# KiCad board apple-color-monitor-iie-a2m2056.kicad_pcb (continued)
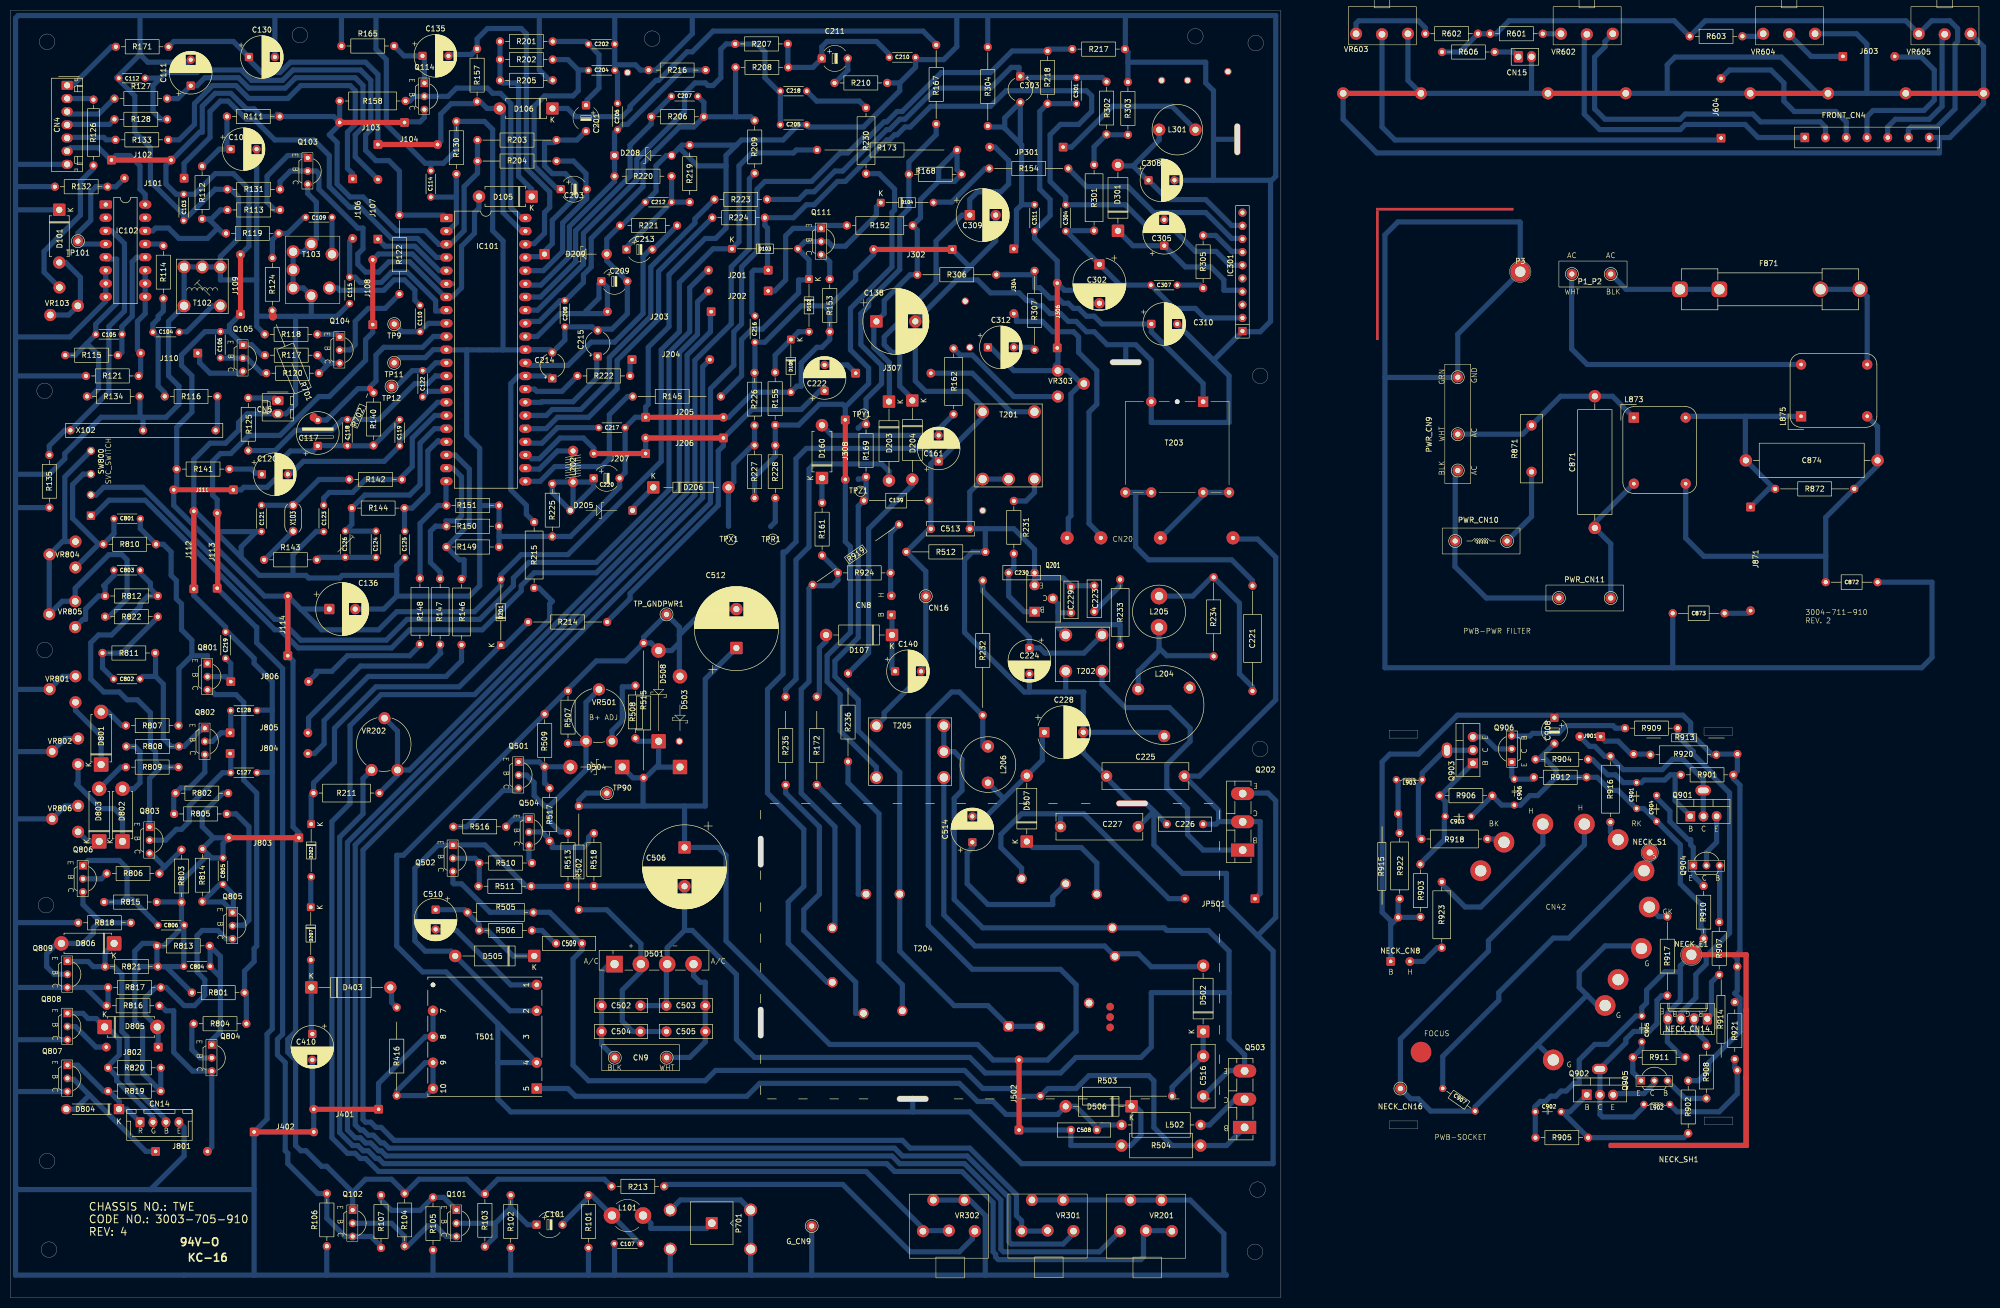
[diagram p0: board, top side]
## Routing (per net, layer and track width the routed paths; a pad name or vN(x,y) marks a point on that pad's centre or on a via; arc(x,y) is an arc through that point) (continued)
/ACC_FILTER: length 36.7
  Bottom w1: R702.1 70.03,174.68 R140.2 ; R702.1 69.34,175.69 70.5,176.84 70.5,181.84 72,183.34 79.5,183.34 81.58,185.43 IC101.10 ; R702.1 67.02,175.36 60.97,169.31 C117.2 59.03,169.31 R701.1
/AFC: length 95.2
  Bottom w1: IC101.35 101.67,190.51 110.5,199.34 110.5,205.34 120.8,215.64 120.8,219.64 130,228.84 130,232.34 132,234.34 134,234.34 134.5,233.84 135.5,233.84 137,235.34 137,240.84 138.02,241.87 R207.2 139.79,241.84 144,241.84 145.5,240.34 145.5,235.34 148.07,232.77 C218.1 C205.1
/AMP_VOLTAGE: length 30
  Bottom w1: IC301.4 237.33,194.34 234,194.34 234,196.34 231.5,198.84 226.6,198.84 C305.1 216.45,202.94 D301.1
/APC_FILTER: length 36.9
  Bottom w1: IC101.15 82.39,172.73 75.08,165.42 C119.1 72.1,161.34 56.5,161.34 54.22,159.07 53.47,159.07
/B_Y_OUT: length 30.6
  Bottom w1: 87.12,138.77 87.5,139.14 87.5,142.34 86.55,142.34 R149.1 88.5,149.24 88.5,159.84 85.78,162.57 IC101.19
/BK: length 3.5
  Bottom w1: CN42.11 287.39,88.48 R918.2
/BLOCK_PULSE_IN: length 8.9
  Bottom w1: IC301.7 237.45,201.84 235.5,201.84 232.42,204.92 R305.1
/BLOCK_PULSE_OUT: length 40.6
  Bottom w1: 222.5,209.34 220.5,209.34 215.5,214.34 207.5,214.34 R154.1 ; 222.5,209.34 C305.2 ; 222.5,209.34 230.5,209.34 235.5,204.34 237.5,204.34 237.58,204.26 IC301.8
/BRIGHT_CTRL: length 115.6
  Top w1: J104.2 J104.1
  Bottom w1: R171.1 31.52,242.34 43,242.34 C130.1 46,238.84 48.5,236.34 52,236.34 54,238.34 68.5,238.34 70.88,235.97 J104.1 ; IC101.41 98.59,205.75 95,209.34 95,228.78 D106.2 91.92,229.42 90.58,230.76 R157.1 89.58,230.34 85,230.34 83,228.34 83,223.09 J104.2
/CHROMA_IN: length 11.3
  Bottom w1: TP9.1 75.5,186.34 C110.1 80.62,187.97 IC101.9
/CHROMA_OUT: length 12.5
  Bottom w1: IC101.12 82,180.35 80.5,178.84 C122.1 77.5,178.84 74.42,175.77 TP12.1
/CLAMP_IN: length 64.2
  Bottom w1: IC101.40 99.36,203.21 99.5,203.34 101,203.34 103,205.34 103,209.34 104,210.34 104,213.34 99.5,217.84 99.5,243.84 98.5,244.84 92,244.84 90,242.84 R157.2 88.92,239.84 84.5,239.84 84.47,239.81 C135.2
/COLOR_CONTROL: length 96.9
  Bottom w1: R128.2 29.02,227.32 27.5,228.84 27.5,233.84 28.92,235.27 ; 28.92,235.27 30,236.34 36,236.34 36.5,236.84 44.5,236.84 46.5,234.84 52.5,234.84 54.5,236.84 67.5,236.84 69.5,234.84 69.5,225.34 68.5,224.34 68.5,221.34 70.5,219.34 73,219.34 75.03,217.32 R122.1 83.5,208.84 84.05,208.29 IC101.1 ; 28.92,235.27 C112.1
/CONTRAST_CONTROL: length 16
  Bottom w1: 84,198.34 84.08,198.27 IC101.5 82.72,198.13 78,202.84 72.25,202.84 J107.1
/CONTRAST_OUT_C: length 46.2
  Bottom w1: IC101.42 98.55,208.29 96.5,210.34 96.5,230.34 94.5,232.34 93,232.34 92,233.34 86,233.34 84.41,231.75 Q114.2 77.91,231.75 77.03,230.87 R158.1
/CONTRAST_OUT_E: length 16.9
  Bottom w1: IC101.2 84.41,205.75 86,207.34 86,212.34 ; C114.1 85.97,212.32 86,212.34 ; 86,212.34 R130.1
/CRT_10: length 30.7
  Bottom w1: CN42.10 295.52,87.36 283.52,75.36 280.52,75.36 276.02,79.86 R923.2
/DELAY_IN: length 77.4
  Bottom w1: J101.1 33.5,218.84 38.5,223.84 38.5,228.84 40.5,230.84 42,230.84 45.5,227.34 47,227.34 51,223.34 58.5,223.34 61.5,220.34 61.5,214.34 65.5,210.34 67.5,210.34 73.5,204.34 78.5,204.34 82.17,200.67 IC101.4
/DEMO_IN: length 5.2
  Bottom w1: C122.2 80.58,174.84 83.65,174.84 IC101.14
/FLY_7: length 81.3
  Bottom w1: T205.3 180,73.84 186,67.84 211,67.84 T204.7 213.5,66.34 217.5,66.34 220,63.84 230,63.84 D502.2
/G_Y_OUT: length 29
  Bottom w1: IC101.20 85.31,160.03 87,158.34 87,150.84 86,149.84 84,149.84 84.08,149.77 R150.1 82.03,148.82 82,148.84 81,147.84 81,141.84 82.88,139.97 R147.1
/GK: length 4.3
  Bottom w1: CN42.6 317.87,73.51 R917.1
/H_DRIVE_OUT: length 113
  Top w1: J206.2 J206.1 ; J207.2 J207.1
  Bottom w1: R214.1 115.08,130.42 119.5,134.84 119.5,135.84 136.5,152.84 136.5,163.34 137.5,164.34 J206.1 143,171.34 152.5,171.34 156.1,174.94 C222.1 ; IC101.24 99.78,162.57 100.5,161.84 102,161.84 106,165.84 110.5,165.84 112.5,163.84 J207.2 ; J206.2 J207.1
/H_OSC_DISCHARGE: length 52.1
  Bottom w1: C207.1 123.58,227.87 R206.1 123.58,226.42 119.5,222.34 119.5,216.34 109,205.84 109,199.84 102.2,193.05 IC101.36
/H_OSC_TIMING: length 81.9
  Bottom w1: R206.2 140,227.82 ; R206.2 131.76,225.84 129,225.84 122,218.84 122,214.34 112,204.34 112,198.84 110.5,197.34 110.5,195.84 107.03,192.37 C208.1 106.03,192.37 102,188.34 99.5,188.34 99.31,188.16 IC101.34 ; R206.2 133.74,230.59 C207.2 ; 140,227.82 142.79,227.82 R209.2 ; 140,227.82 139.84,227.98 R208.2
/H_VCC_8V: length 31.6
  Bottom w1: IC101.33 101.58,185.43 106,189.84 111,189.84 ; 111,189.84 111,190.34 113.5,192.84 113.5,195.6 C209.1 115.12,194.91 J203.2 114.75,189.84 111,189.84
/HEIGHT_CTRL: length 11.4
  Bottom w1: IC101.29 101.08,175.27 101.5,174.84 106.36,174.84 R222.2
/HUE_CONTROL: length 32
  Bottom w1: IC101.8 83.91,190.34 82,190.34 82,192.34 76.5,197.84 73.5,197.84 71.5,195.84 67.5,195.84 66.47,196.87 C115.1 65.42,203.77 J106.2
/KILLER_FILTER: length 44.2
  Bottom w1: IC101.13 82.03,177.81 82,177.84 80.5,176.34 78,176.34 71.08,169.42 C118.1 64.08,169.42 62,167.34 55,167.34 51.08,163.42 R125.1
/MIN_PI_4TH_IN: length 22.8
  Bottom w1: IC101.18 82.73,165.11 82.5,165.34 80.5,163.34 80.5,155.34 77.47,152.32 R144.1 76,147.84 C125.1
/NECK_B: length 196.6
  Bottom w1: 266.17,71.92 R915.2 ; 266.17,71.92 266.17,72.71 264.52,74.36 264.52,103.36 266.02,104.86 271.52,104.86 279.02,112.36 297.27,112.36 C908.1 298.21,112.36 322.52,112.36 324.02,110.86 324.02,108.86 328.14,104.73 R920.1 329.07,104.86 R913.1 333.02,101.62 R901.2 332.25,100.12 333.52,98.86 333.52,66.86 332.52,65.86 333,65.38 R914.1 333,59.19 332.52,58.71 333.52,57.71 333.52,51.36 327.52,45.36 327.52,43.86 325.52,41.86 R902.1 ; 266.17,71.92 NECK_CN8.1 ; R915.2 271.82,73.36 R903.1 ; R915.2 267.61,76.65 R922.1
/NFB_IN: length 62.4
  Bottom w1: IC101.27 103.34,170.19 104.5,171.34 110,171.34 115.5,176.84 115.5,181.34 123.5,189.34 123.5,198.84 132,207.34 132,208.1 R223.2
/PWR_BLK: length 20.7
  Bottom w1: D501.1 115.5,64.34 114,62.84 C502.1 C504.2 114,48.84 116.5,46.34
/PWR_WHT: length 25.3
  Bottom w1: 126.5,46.34 131,46.34 134,49.34 C505.2 C503.1 134,60.84 133,60.84 131.74,62.1 D501.4
/R_Y_OUT: length 21.9
  Bottom w1: IC101.21 84,157.41 84,152.84 84.03,152.82 R151.1 82.47,152.82 79,149.34 79,138.79 R148.1
/RK: length 4
  Bottom w1: CN42.8 308.54,89.83 R916.2
/SVC_SW_1: length 25.4
  Bottom w1: R152.2 156.89,206.84 Q111.1 150.95,206.29 149.5,204.84 149.5,196.34 147.38,194.22 J202.1
/SVC_SW_3: length 30.9
  Bottom w1: 17.03,145.34 VR804.3 ; 17.03,145.34 12,150.37 12,156.84 14.02,158.87 SW800.3 ; 17.03,145.34 R810.1 19.98,147.4 C801.1
/SVC_SW_4: length 72
  Bottom w1: 10.5,145.87 VR804.1 ; 10.5,145.87 10.05,145.87 VR804.2 7.5,143.31 VR805.2 10,134.34 VR805.1 12.5,136.84 19,143.34 21.5,143.34 22.5,142.34 22.5,134.84 19.02,131.37 R822.2 ; 10.5,145.87 10.5,158.34 SW800.4
/SYNC_OUT: length 61
  Bottom w1: R216.2 129.48,236.82 119,226.34 118.1,226.34 C206.1 116.5,224.74 D208.1 R220.1 116.5,215.34 107.8,206.64 107.8,200.84 102.3,195.34 99.5,195.34 99.31,195.53 IC101.37
/SYNC_SEP_H: length 41.2
  Bottom w1: IC101.39 99.33,200.67 99.5,200.84 102.53,200.84 D209.1 103,201.84 104.5,203.34 104.5,207.84 109,212.34 109,214.84 107,216.84 104.5,216.84 103,218.34 103,222.84 104.84,222.84 R203.2 109.24,223.32 111.23,225.3
/SYNC_SEP_V: length 32.1
  Bottom w1: R204.2 108.58,219.27 111,216.84 111,214.11 111.04,214.07 ; IC101.38 102.78,198.13 106.5,201.84 106.5,207.34 111.13,211.97 C203.2
/TIMING: length 37.5
  Bottom w1: 104.58,177.32 104.08,177.81 IC101.30 97.97,177.81 96.5,176.34 96.5,155.84 99.5,152.84 99.5,151.12 R215.2
/V_DRIVE_OUT: length 61.5
  Bottom w1: IC101.26 103.3,167.65 105.5,169.84 111.5,169.84 117,175.34 117,180.84 125,188.84 125,198 R224.2
/V_SAWTOOTH_IN: length 162.4
  Bottom w1: C216.2 143,189.97 143,197.84 143.38,198.22 J201.1 146,198.34 146,206.34 145.5,206.84 R224.1 151,208.34 153.5,210.84 155,210.84 159.5,215.34 161,215.34 169,223.34 169.5,223.34 170.5,224.34 171,224.34 172.5,225.84 173.5,225.84 177.5,229.84 189,229.84 192,232.84 207.5,232.84 208.5,231.84 208.5,228.84 206,226.34 202.5,226.34 200.5,224.34 200.5,215.34 203.5,212.34 C304.1 215,210.84 220,205.84 224.5,205.84 228.5,201.84 232.5,201.84 235.18,199.17 IC301.6
/VERTICAL_OUT: length 46.5
  Bottom w1: IC301.2 230.33,189.01 228.5,190.84 224.42,190.84 C307.2 214,195.34 C302.1 203.58,205.76 C304.2 203.58,205.84 R301.2
/VIDEO_INV_IN: length 246
  Top w1: Q102.3 66,11.84 ; J108.2 J108.1 ; J113.2 40,151.34 40,136.97 J113.1
  Bottom w1: J113.1 47.38,129.34 47.5,129.34 47.5,126.34 52.5,121.34 52.5,50.84 51.5,49.84 51.5,46.84 53,45.34 53,28.34 53.5,27.84 53.5,25.84 59.27,20.08 R106.2 61.03,15.32 64.54,11.8 Q102.3 69.54,11.8 71.5,9.84 71.47,9.82 R107.2 ; J108.1 69.88,186.22 68.5,184.84 68.5,180.84 61.5,173.84 59.5,173.84 52,166.34 46,166.34 42.5,162.84 40.5,162.84 39,161.34 39,154.84 39.88,153.97 J113.2 ; 85.25,195.59 IC101.6 83.25,195.59 77.5,201.34 71,201.34 J108.2
/VIDEO_INV_OUT: length 76.1
  Bottom w1: D105.2 90.36,210.21 89.5,209.34 89.5,205.34 87,202.84 87,194.84 85.2,193.05 IC101.7 83.8,193.05 77,199.84 73,199.84 71,197.84 68.5,197.84 67,199.34 67,201.34 68,202.34 68,206.34 67,206.34 59.5,213.84 59.5,216.84 59,217.34 Q103.2 54,217.34 52,215.34 R131.1
/VSYNC_IN: length 47.1
  Bottom w1: R221.2 123.98,202.22 C213.2 123.37,202.22 122,200.84 122,189.84 116.5,184.34 112,184.34 107.5,179.84 99.82,179.84 IC101.31
/XRAY_PROTECTOR: length 10.7
  Bottom w1: L202.2 105.5,163.34 102,159.84 99.5,159.84 IC101.23
/XTAL_DRIVE: length 35.2
  Bottom w1: IC101.16 81.84,170.19 77.5,165.84 77.5,160.34 75.5,158.34 R142.1 68.5,157.84 66,155.34 61.5,155.34 60.42,154.27 C123.1
/XTAL_IN: length 40.1
  Bottom w1: IC101.17 81.8,167.65 79,164.84 79,156.84 77,154.84 68.36,154.84 R144.2 65.84,149.16 C126.2 64.59,147.88 C124.2
/Y_OUT: length 32.4
  Bottom w1: R145.1 119,173.84 115.5,170.34 115.5,161.84 114,160.34 105,160.34 102.14,157.49 IC101.22
CTRL: length 357
  Top w1: VR604.4 VR604.4 ; VR602.4 VR602.4 ; VR603.4 VR603.4 ; VR605.4 VR605.4
  Bottom w1: 371.99,223.81 373.97,223.81 380.49,230.33 VR605.4 380.49,241.33 VR605.3 ; 371.99,223.81 371.99,220.83 263.49,220.83 256.99,227.33 VR603.4 ; 371.99,223.81 FRONT_CN4.7 ; 357.99,232.33 357.99,241.83 355.99,243.83 VR604.3 ; 357.99,232.33 VR605.4 ; 357.99,232.33 VR604.4 348.49,232.33 341.49,239.33 320.99,239.33 319.49,237.83 319.49,232.33 ; 292.99,232.33 VR603.4 269.49,234.83 VR603.3 ; 292.99,232.33 293.33,232.67 CN15.2 ; 292.99,232.33 VR602.4 ; 319.49,232.33 VR602.4 ; 319.49,232.33 VR604.4
CTRL +12V: length 135
  Bottom w1: R606.1 279.47,240.31 R602.1 R601.2 286.49,243.83 288.99,246.33 320.83,246.33 R603.2 326.83,246.33 365.49,246.33 VR605.1 370.49,246.33 373.99,246.33 375.49,244.83 375.49,242.33 374.99,241.83 374.99,229.33 371.49,225.83 366.49,225.83 365.99,225.33 365.99,223.83 FRONT_CN4.6
GCOM: length 394.6
  Bottom w1: 235,58.84 235,49.84 238,46.84 238,43.82 234.98,43.82 C516.1 ; 235,58.84 235,66.84 231,70.84 223,70.84 222.5,71.34 T204.7.5 187.5,71.34 182,76.84 182,96.34 183.5,97.84 183.5,103.84 182,105.34 T205.4 T205.5 ; 235,58.84 220,58.84 220,48.34 218,46.34 205.5,46.34 202.5,43.34 188,43.34 185,46.34 143.5,46.34 140,49.84 140,62.34 131.5,70.84 130,70.84 ; 130,70.84 126.66,67.5 D501.3 126.5,64.18 C503.2 ; 130,70.84 C506.2 129.94,79.42 R518.1 R513.1 107.53,79.37 107.5,79.34 100.45,79.34 R511.1 99.47,79.37 91.5,87.34 85.39,87.34 Q502.1 82.45,87.29 78,82.84 78,68.84 80,66.84 85,66.84 85.78,66.06 D505.2 96.36,55.34 T501.2 ; 126.66,56.5 C503.2 ; C503.2 C502.2
GHORZ: length 618.9
  Top w1: SH1.1 173.91,38.43 173.91,38.44
  Bottom w1: 129,126.34 127.5,124.84 D508.2 123.55,126.29 R515.1 ; 129,126.34 129,119.84 129.02,119.87 D503.2 ; 129,126.34 129,127.84 ; R515.1 122.05,126.29 122,126.34 ; R515.1 122.11,127.4 TP_GNDPWR1.TP 129,129.34 129,127.84 ; R515.1 118.66,122.84 113,122.84 107.53,117.37 R507.2 107.23,117.08 103,112.84 103.03,112.82 R509.2 75.79,85.34 74.5,85.34 74.5,67.84 79.5,62.84 84,62.84 94,52.84 ; C224.2 196.5,116.84 ; 196.5,116.84 195.5,116.84 184,128.34 184,142.34 185.5,143.84 187.98,143.84 R512.1 188,148.34 ; 196.5,116.84 203.5,116.84 ; C226.1 220.5,93.84 ; 220.5,93.84 220.5,87.34 226,81.84 234.5,81.84 234.5,75.84 240.5,69.84 ; 220.5,93.84 219,95.34 SH1.1 211.38,100.27 C225.1 206.88,105.11 C228.2 ; 220.5,93.84 217.52,90.87 C227.1 ; 188,148.34 185.02,148.34 C513.2 185,155.43 T201.3 T201.4 ; 188,148.34 193.5,148.34 197.5,144.34 C230.2 197.5,138.84 ; 197.5,138.84 Q201.3 ; 197.5,138.84 203,138.84 204.52,137.32 C229.2 204.75,137.34 C223.2 ; 174,35.84 96.5,35.84 94,38.34 94,45.34 ; 174,35.84 185,35.84 195,25.84 243.5,25.84 243.5,66.84 240.5,69.84 ; 174,35.84 SH1.1 173.91,38.43 173.91,38.44 ; L204.2 221.77,109.07 C228.2 ; 240.5,69.84 244,73.34 244,95.84 242.5,97.34 237.73,97.34 Q202.3 ; 94,45.34 94,52.84 ; 94,45.34 T501.4 94,52.84 ; 203.5,116.84 207,116.84 206.88,116.72 C228.2 ; 203.5,116.84 T202.3 ; 129,127.84 134,132.84 140,132.84 C512.2 ; 237.27,97.32 237.48,97.32 ; 237.48,97.32 237.5,97.34 ; 237.48,97.32 237.5,97.29 237.62,97.29 237.68,97.34
VCOM: length 355.5
  Top w1: R515.2 122,100.18 ; J502.2 J502.1
  Bottom w1: R515.2 120.05,100.29 D504.1 ; D506.1 216.93,36.92 218,35.84 218,31.34 216,29.34 R504.2 204.5,29.34 C508.2 J502.1 ; 122.5,100.34 125,102.84 ; TP90.1 115,97.34 111,97.34 109.61,95.95 R502.1 ; R508.1 120.52,107.87 120.5,107.84 121,107.34 D508.1 125,102.34 129.1,102.34 D503.1 ; 130,94.84 109.78,94.84 109.58,94.64 ; 130,94.84 C506.1 136.49,86.85 138,85.34 138,68.84 158,48.84 186.5,48.84 189.5,45.84 J502.2 200,45.84 205.5,51.34 205.5,60.34 202.5,63.34 185.5,63.34 177,71.84 177,112.34 181.5,116.84 182.98,116.84 187.5,112.32 187.5,106.34 ; 130,94.84 134,94.84 134,119.34 139.99,125.33 C512.1 ; 122,100.18 122,94.84
Net-(C101-Pad2): length 21.7
  Bottom w1: C107.1 121.42,10.42 L101.2 112.08,19.77 R101.1 111.48,19.32 106.47,14.31 C101.2
Net-(C102-Pad1): length 13.5
  Bottom w1: R111.2 41.77,222.27 C102.1 40.27,221.57 R112.1
Net-(C104-Pad1): length 20.7
  Bottom w1: R114.1 29.5,190.34 28.5,189.34 28.5,188.84 27.48,187.82 C104.1 28.5,185.24 28.5,175.84 29.77,174.58 R116.2
Net-(C109-Pad2): length 11.7
  Bottom w1: C109.2 56.58,208.42 53.47,205.32 R119.2 50.53,204.11 R124.2
Net-(C120-Pad1): length 6.6
  Bottom w1: R141.2 46.5,159.84 47.28,159.07 48.47,159.07
Net-(C121-Pad1): length 19
  Bottom w1: C121.1 X103.2 59.5,157.84 R142.2
Net-(C124-Pad1): length 11.7
  Bottom w1: 59,142.34 R143.2 59.55,142.82 C126.1 70.48,142.82 C124.1
Net-(C201-Pad1): length 20.4
  Bottom w1: R201.1 110.96,242.34 C202.1 113.5,239.8 113.5,233.34 111.23,231.07 111.23,230.3
Net-(C203-Pad1): length 39.9
  Bottom w1: C204.1 111.48,236.82 111.5,236.84 109.5,236.84 ; R202.1 107.5,238.84 109.5,236.84 ; 106.04,214.07 105.28,214.07 101,218.34 101,229.84 103,231.84 108.5,231.84 109.5,232.84 109.5,236.84
Net-(C210-Pad1): length 29
  Bottom w1: R207.1 149.93,237.42 R208.1 154.74,237.34 C211.1 156.47,241.31 157.5,242.34 167,242.34 169.48,239.87 C210.1
Net-(C211-Pad2): length 5.9
  Bottom w1: R210.1 159,234.34 161.5,236.84 161.47,236.87 C211.2
Net-(C212-Pad1): length 21.2
  Bottom w1: R220.2 C212.1 ; C212.1 118.8,202.64 C213.1 ; C212.1 R219.2
Net-(C218-Pad2): length 12.8
  Bottom w1: C218.2 155.48,230.84 163.7,230.84 R230.1
Net-(C221-Pad2): length 37.1
  Bottom w1: C221.2 239.53,117.82 237,120.34 237,133.99 R234.2 232.02,138.87 232,138.84 231.5,138.84 228,135.34 L205.1
Net-(C223-Pad1): length 8.3
  Bottom w1: R233.2 214,137.34 C223.1
Net-(C301-Pad2): length 78
  Bottom w1: R223.1 152.02,211.87 153.5,213.34 155,213.34 159,217.34 160.5,217.34 165.5,222.34 166,222.34 169,225.34 169.5,225.34 171.5,227.34 172.5,227.34 178.5,233.34 189,233.34 193,237.34 194.5,237.34 194.5,235.85 C303.1 194.95,235.4 C301.2 210.56,235.4 R302.2
Net-(C307-Pad1): length 5.2
  Bottom w1: C307.1 229.42,195.34 R305.2
Net-(C312-Pad2): length 4.2
  Bottom w1: R307.1 197,183.34 C312.2
Net-(C509-Pad2): length 5.7
  Bottom w1: R506.1 102.5,70.84 105,68.34 105.03,68.37 105.22,68.37
Net-(C514-Pad1): length 31.6
  Bottom w1: C514.1 185.5,86.84 184.5,85.84 184.5,79.84 188.5,75.84 201,75.84 201,77.34 T204.9
Net-(C802-Pad2): length 19.6
  Bottom w1: C802.2 17.77,121.5 R811.2 17.79,124.34 21.5,124.34 28.42,131.27 R822.1
Net-(C803-Pad2): length 15.3
  Bottom w1: VR805.3 14,130.84 14.5,130.84 14.5,132.84 17.02,135.37 R812.2 18.27,137.08 18,137.34 19.96,139.3 C803.2
Net-(C872-Pad2): length 75.9
  Bottom w1: 350.06,143.02 350.06,150.52 R872.1 360.06,160.52 C874.1 360.06,168.02 L875.3 ; 350.06,143.02 C872.2 ; 350.06,143.02 326.56,143.02 323.06,146.52 L873.4
Net-(CN4-BLU): length 9.6
  Bottom w1: CN4.5 11.07,223.84 18,223.84 18.48,223.37 R133.2
Net-(CN4-BRN): length 12.5
  Bottom w1: R171.2 19.48,241.32 12.04,233.88 CN4.1
Net-(CN4-GRN): length 9.6
  Bottom w1: R128.1 19.1,226.34 11,226.34 10.95,226.29 CN4.4
Net-(CN4-PNK): length 5.2
  Bottom w1: R126.2 15.8,231.34 CN4.2
Net-(CN4-YLW): length 10.6
  Bottom w1: R127.1 20.02,231.32 20,231.34 17,228.34 11.4,228.34 CN4.3
Net-(CN5-RED): length 6.2
  Bottom w1: 51.5,173.34 51.55,173.29 CN5.1 51.03,173.58 R125.2
Net-(CN8-B): length 11.2
  Bottom w1: C140.1 170,121.44 D107.1 170,131.59 CN8.1
Net-(CN8-H): length 14.7
  Bottom w1: 169.5,139.84 169.52,139.82 R924.2 ; R924.2 169.74,147.54 R919.2 ; R924.2 169.74,135.56 CN8.2
Net-(CN14-B): length 48.7
  Bottom w1: R821.2 18.27,66.61 D806.1 ; R821.2 15.98,63.87 15,64.84 11.08,64.84 Q809.1 11,65.34 ; R821.2 19.98,63.87 21.5,62.34 21.5,51.34 22.5,50.34 22.5,41.84 30,34.34
Net-(CN14-G): length 32.7
  Bottom w1: Q808.1 14,54.84 15,53.84 16.55,53.84 D805.1 18.38,52.22 18.5,52.34 21,49.84 21,46.84 18.84,44.68 R820.2 20.5,42.68 20.5,41.84 27.5,34.84 CN14.2
Net-(CN14-R): length 19.6
  Bottom w1: 20.96,36.34 D804.1 ; D804.1 22.48,36.36 CN14.1 ; D804.1 21,36.42 21,37.84 19,39.84 R819.2 18,39.84 13,44.84 Q807.1 ; D804.1 21.02,36.44
Net-(CN15-+): length 4.9
  Bottom w1: CN15.1 289.87,240.31 R606.2
Net-(CN20-BLU): length 17.2
  Bottom w1: T203.7 T203.6 230,154.84 221.77,146.61 CN20.4
Net-(CN20-GRN): length 56.9
  Bottom w1: CN20.2 210.27,146.61 210.5,146.84 208,149.34 208,170.84 209.5,172.34 209.5,178.84 206,182.34 206,185.34 205,186.34 201,186.34 199,188.34 194,188.34 194,189.34 J304.2
Net-(CN20-RED): length 99.1
  Bottom w1: C226.2 232.5,91.34 233,91.84 ; 233,91.84 237.57,91.84 Q202.2 237.95,91.79 238,91.84 241,91.84 241,77.97 JP501.1 ; 233,91.84 233,93.99 C225.2 229.27,100.62 244,115.34 244,142.84 240.5,146.34 236,146.34 CN20.6
Net-(CN20-YLW): length 123.4
  Top w1: 201.5,178.84 201.5,178.84 ; J306.2 J306.1
  Bottom w1: C301.1 205.55,230.34 R218.2 198.5,228.84 198.5,213.84 200.5,211.84 200.5,208.76 C311.2 197.5,204.34 201.88,199.97 J306.2 203.25,194.34 205.5,194.34 208,191.84 C302.2 ; 201.5,178.84 193.5,178.84 189,183.34 C312.1 ; 201.5,178.84 204,178.84 206.5,176.34 204.5,174.34 204.5,150.84 204,150.34 204,146.84 203.77,146.61 CN20.1 ; 201.5,178.84 201.5,179.84 202,180.34 202,183.09 J306.1
Net-(CN42-S): length 64.7
  Bottom w1: C907.1 276.21,46.55 287.02,57.36 287.02,58.86 297.52,69.36 300.52,69.36 313.52,82.36 CN42.7 316.12,83.46 NECK_S1.1
Net-(D101-A): length 17
  Bottom w1: VR103.2 11.23,189.57 VR103.3 13.5,191.84 13.5,196.84 10.63,199.71 D101.2
Net-(D102-A): length 11.7
  Bottom w1: D102.2 152,186.34 D108.1 147.48,181.82 R155.1
Net-(D102-K): length 60.1
  Bottom w1: R145.2 141,177.84 141,184.84 143,186.84 145,186.84 152,193.84 152,196.34 153.84,196.34 D102.1 154,200.19 D103.2 153.26,203.75 Q111.2 157.59,203.75 158.5,202.84 161,202.84 167,208.84 167,210.43 D104.1
Net-(D104-A): length 13.5
  Bottom w1: D104.2 178.07,211.34 181.5,211.34 188,217.84 R154.2
Net-(D105-K): length 34
  Bottom w1: D105.1 100.53,213.82 98,216.34 98,233.84 97.5,234.34 94.92,234.34 R205.2 R202.2 R201.2
Net-(D106-K): length 83
  Bottom w1: R167.2 178.52,241.82 176,244.34 135.5,244.34 131.5,240.34 130.5,240.34 125,234.84 124.5,234.84 119.5,229.84 119.5,229.34 118,227.84 109,227.84 107.42,229.42 D106.1
Net-(D107-A): length 12.7
  Bottom w1: D107.2 157.3,126.64 156,125.34 156,116.42 R172.2
Net-(D160-A): length 28.6
  Bottom w1: R162.1 179,167.54 C161.2 158.46,166.34 D160.2
Net-(D160-K): length 4.8
  Bottom w1: D160.1 156.5,153.34 R161.1
Net-(D201-K): length 66.2
  Bottom w1: R214.2 95.36,125.87 D201.1 86.55,117.84 70.5,117.84 62.5,109.84 62.5,103.34 58.46,99.3 R211.2 58,96.88 D202.1
Net-(D202-A): length 5.9
  Bottom w1: D207.1 57.92,81.11 D202.2
Net-(D203-A): length 64.3
  Bottom w1: R235.2 149.5,117.34 151.5,119.34 151.5,142.34 154,144.84 154,159.84 155,160.84 168,160.84 169.43,159.42 D203.2 169.43,157.77 169.5,157.84
Net-(D204-A): length 42.6
  Bottom w1: D204.2 173.93,156.77 165.5,148.34 165.5,124.39 R236.2
Net-(D204-K): length 67.6
  Bottom w1: JP301.2 189.88,221.97 192.5,219.34 192.5,214.84 191,213.34 186.5,213.34 185,211.84 C309.1 183.5,208.84 178.5,203.84 178.5,195.84 171.5,188.84 171.5,188.34 168.5,185.34 168.5,183.84 170,182.34 171.5,182.34 171.5,175.84 173.93,173.42 D204.1
Net-(D205-A): length 28.7
  Bottom w1: L202.1 111.74,157.34 C220.1 112.47,156.36 D205.2 ; L202.1 104.84,157.34 R225.1 104.5,155.34 D205.2 ; L202.1 108.5,152.39 D205.2
Net-(D205-K): length 6.1
  Bottom w1: D205.1 119.98,152.32 D206.1
Net-(D206-A): length 21.8
  Bottom w1: R226.1 R227.2 143.08,164.42 139.5,160.84 139.5,157.34 D206.2 138.48,148.87 TPX1.TP
Net-(D207-A): length 14.8
  Bottom w1: D207.2 57.92,65.27 58,65.34 58,59.87 D403.1 58.03,51.07 C410.1
Net-(D403-A): length 4.5
  Bottom w1: D403.2 73.5,59.84 73.5,56.98 R416.2
Net-(D501-+): length 40.4
  Bottom w1: C505.1 C504.1 120,51.34 118,53.34 118,59.34 121.58,62.92 D501.2 121.58,68.26 115.01,74.83 R502.2
Net-(D502-K): length 15.2
  Bottom w1: 224,38.84 224.02,38.87 R503.2 224.02,40.62 C516.2 ; C516.2 D502.1 ; C516.2 230,46.34
Net-(D504-A): length 15
  Bottom w1: D504.2 107.92,102.42 R509.1 ; R509.1 103.03,102.37 103,102.34 102,103.34 Q501.1 ; R509.1 103.03,99.22 103.12,99.22 104,98.34
Net-(D505-K): length 23.8
  Bottom w1: 101,65.84 101.03,65.87 D505.1 97.08,65.92 97,65.84 92,70.84 R506.2 90.42,71.92 88.03,74.32 R505.1 87.62,74.84 C510.1
Net-(D506-A): length 120.4
  Bottom w1: 214.5,33.34 214.48,33.32 L502.1 210.48,33.32 C508.1 209.5,32.84 205.43,36.92 D506.2 202,35.42 202,35.34 192,35.34 189.5,37.84 186.5,37.84 183,41.34 144.5,41.34 142,38.84 109,38.84 107.5,40.34 T501.5
Net-(D507-A): length 28.1
  Bottom w1: L206.2 191.32,96.52 191.32,96.02 ; C514.2 188.15,92.84 191.32,96.02 ; 191.32,96.02 D507.2 199,103.69 199,108.84 199.23,109.07 C228.1
Net-(D507-K): length 21.2
  Bottom w1: D507.1 197.15,86.84 206.5,86.84 209.5,83.84 T204.8
Net-(D801-A): length 5.9
  Bottom w1: R807.2 21.48,110.37 18.84,113 D801.2
Net-(D801-K): length 14.1
  Bottom w1: D801.1 17.5,108.34 12.55,113.29 VR801.3
Net-(D802-A): length 12.9
  Bottom w1: R808.2 24,106.34 25,105.34 25,99.34 23.84,98.18 D802.2
Net-(D802-K): length 20.1
  Bottom w1: VR802.3 13.05,99.4 12.75,99.09 17.5,94.34 20,94.34 21.62,92.72 D802.1
Net-(D803-A): length 6.9
  Bottom w1: D803.2 21.29,102.34 R809.2
Net-(D803-K): length 4.8
  Bottom w1: D803.1 14.91,88.02 VR806.3
Net-(D804-A): length 28.6
  Top w1: 10.86,36.34 11,36.34
  Bottom w1: D804.2 12.48,36.36 12.5,36.34 15.25,39.09 ; J801.1 26.12,28.22 15.25,39.09 ; 15.25,39.09 12.22,42.12 11.18,42.12 Q807.2
